# Altium PCB SPG300 Rev05.PcbDoc (part 6 of 8) (continued)
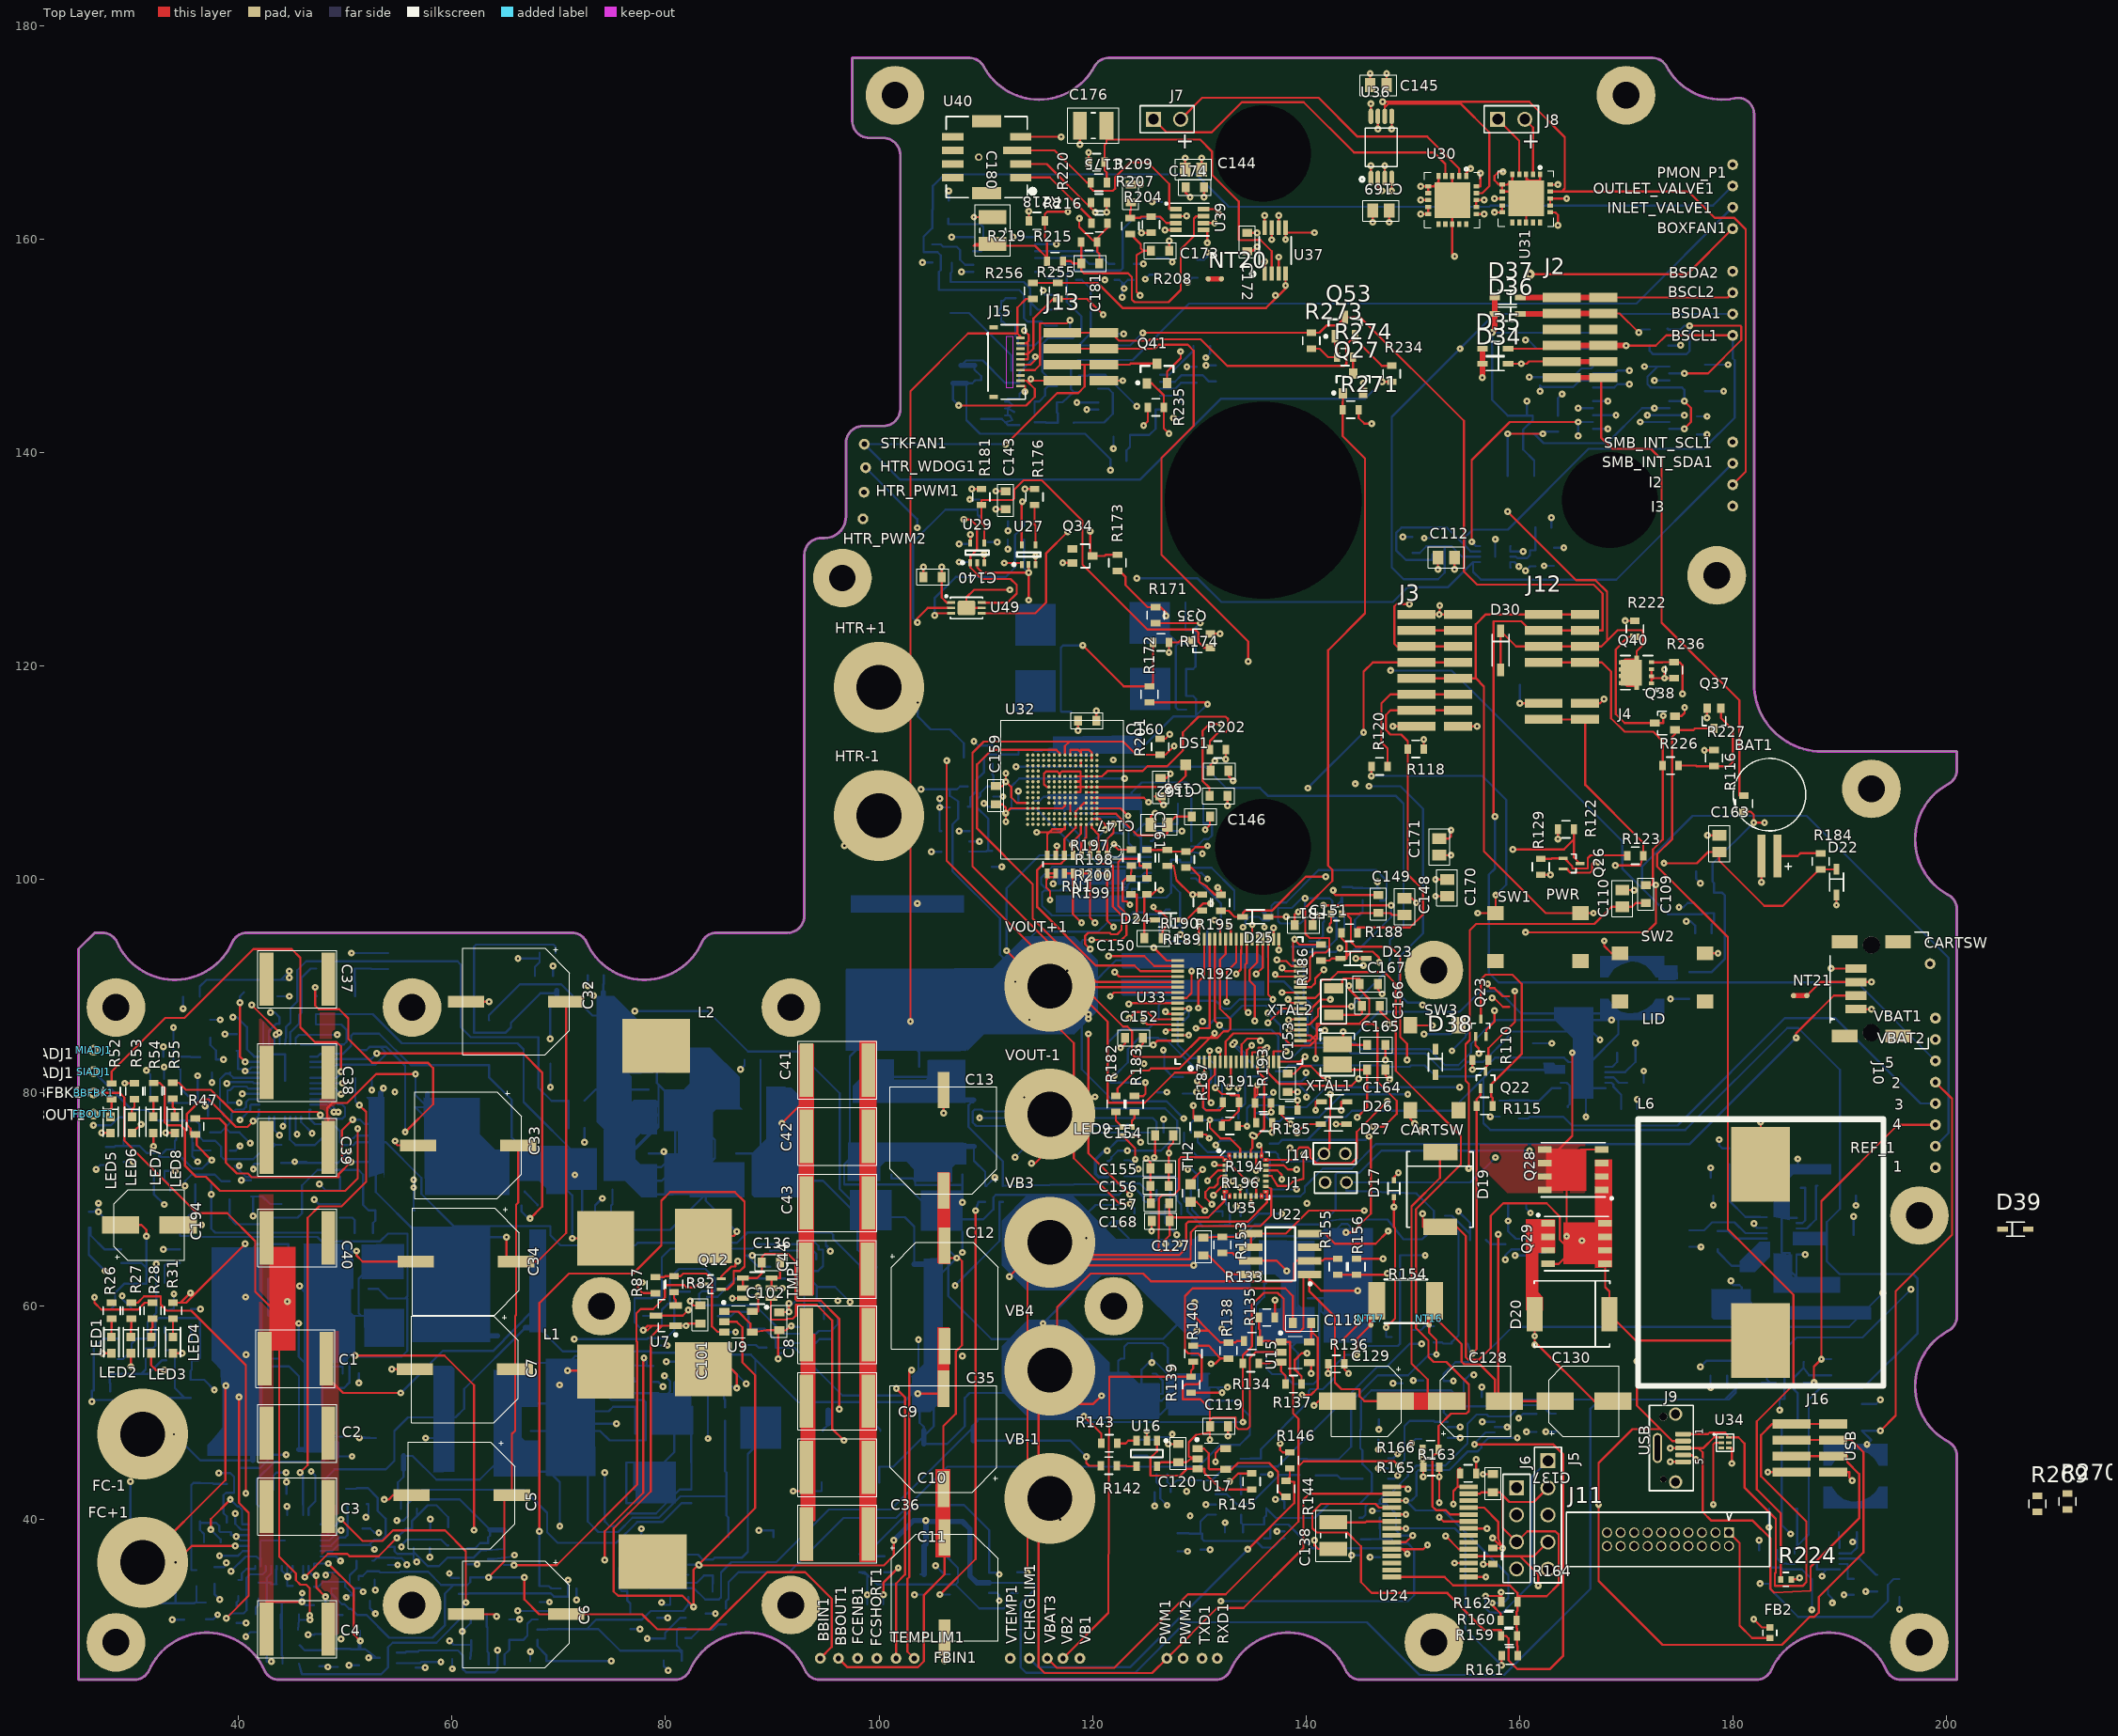
[diagram p0: Top Layer view]
## Nets (pads, with @x,y where several pads share a name; then routed paths per layer and width w, separated by ;. In a path a pad name is that pad's centre, name@x,y a point inside that pad or via, vN(x,y) a via of type N, cw(c..) or ccw(c..) an arc to the next point about the centre after c; other vN are vias at no path point) (continued)
  Bottom Layer w0.203: v1(112.598,160.2) U38.2@114.625,160.2 ; C178.1@126.05,158.227 127.117,158.227 v1(127.483,157.861)
NetC179_1: C179.1 R214.2 U38.9 | length 5.2
  Bottom Layer w0.203: C179.1@104.994,159.526 105.791,159.526 106.018,159.299 R214.2@106.823,159.299 107.29,159.299 107.594,158.995 107.594,158.09 108.084,157.6 U38.9@108.825,157.6
NetC181_1: C181.1 R215.1 R219.2 U39.7 | length 25
  Top Layer w0.203: R215.1@117.25,157.949 117.983,157.949 118.182,157.751 C181.1@118.951,157.751 ; R219.2@118.951,159.749 118.951,158.725 C181.1@118.951,157.751 ; U39.7@130.435,162.174 129.738,162.174 129.515,161.95 129.515,160.299 128.27,159.055 128.27,155.245 127.127,154.102 123.952,154.102 123.698,154.356 123.698,156.464 123.342,156.82 119.205,156.82 118.951,157.074 C181.1@118.951,157.751
NetC181_2: C181.2 R216.2 R219.1 U39.6 | length 22.6
  Top Layer w0.203: v1(118.77,161.976) 118.77,161.163 120.04,159.893 R219.1@120.451,159.893 ; C181.2@120.651,157.751 120.651,158.648 120.451,158.849 R219.1@120.451,159.749 R219.1@120.451,159.893 ; R216.2@121.416,161.501 121.416,161.087 120.451,160.122 R219.1@120.451,159.893 ; U39.6@130.435,161.524 v1(131.445,161.524)
  Layer 1 w0.203: v1(118.77,161.976) 118.77,162.56 119.583,163.373 122.784,163.373 123.698,162.458 127.61,162.458 128.544,161.524 v1(131.445,161.524)
NetC182_1: C182.1 R223.1 U41.7 | length 7.4
  Bottom Layer w0.203: R223.1@123.195,139.251 123.195,140.208 123.521,140.533 C182.1@123.521,141.501 123.521,141.656 125.332,141.656 125.917,142.24 125.917,144.05 U41.7@126.351,144.05
NetC183_1: C183.1 U41.2 | length 4.5
  Bottom Layer w0.203: U41.2@126.351,147.3 127.208,147.3 129.475,149.566 C183.1@129.475,150.014
NetC184_1: C184.1 R232.2 U41.9 | length 36
  Layer 2 w0.203: v1(118.542,144.704) 119.83,145.992 119.83,157.731 v1(125.599,163.5) 125.599,158.775 v1(130.785,158.775)
  Bottom Layer w0.203: v1(118.542,144.704) 118.546,144.7 U41.9@120.551,144.7 ; v1(125.599,163.5) R232.2@126.501,163.5 ; C184.1@129.85,158.102 130.454,158.102 130.785,158.432 v1(130.785,158.775)
NetC186_1: C186.1 R243.2 U42.1 U43.3 | length 29.8
  Layer 1 w0.203: v1(105.308,35.687) 106.121,34.874 v1(111.277,34.874)
  Bottom Layer w0.203: C186.1@98.173,36.775 98.827,36.775 ; R243.2@100.495,36.574 99.413,36.574 99.212,36.775 98.827,36.775 ; v1(105.308,35.687) 106.12,34.875 U42.1@106.626,34.875 ; U43.3@110.333,35.025 U43.3@110.338,35.025 ; v1(111.277,34.874) 111.126,35.025 U43.3@110.338,35.025 ; 98.827,36.775 103.429,41.377 107.975,41.377 110.338,39.014 U43.3@110.338,35.025
NetC187_1: C187.1 U44.11 | length 13
  Bottom Layer w0.203: U44.11@128.579,70.873 128.579,69.901 128.93,69.55 128.93,68.876 130.343,67.462 132.881,67.666 132.881,69.228 132.512,69.597 132.512,73.024 C187.1@133.326,73.024
NetC188_1: C188.1 R250.2 R253.1 U44.3 | length 18.4
  Layer 1 w0.203: v1(133.655,80.416) 134.707,79.364 136.285,79.364 v1(136.957,80.035)
  Layer 2 w0.203: v1(126.67,77.521) 126.67,77.693 129.074,80.098 v1(129.745,80.098) 130.794,81.148 133.381,81.148 133.655,80.874 v1(133.655,80.416)
  Bottom Layer w0.203: U44.3@126.659,76.272 126.659,77.51 v1(126.67,77.521) ; C188.1@128.48,79.935 129.582,79.935 v1(129.745,80.098) ; R250.2@133.65,79.525 133.65,80.411 v1(133.655,80.416) ; R253.1@135.4,79.6 136.521,79.6 v1(136.957,80.035)
NetC189_1: C189.1 U44.10 | length 5.7
  Bottom Layer w0.203: U44.10@129.219,70.873 129.219,69.903 129.336,69.786 129.336,69.044 130.048,68.332 130.861,68.332 131.439,68.91 132.202,68.91 C189.1@132.202,68.448
NetC190_1: C190.1 C194.1 D32.C U46.1 | length 16
  Top Layer w0.203: C194.1@28.924,67.625 30.886,67.625 31.35,67.161 v1(31.35,66.573)
  Bottom Layer w0.203: D32.C@27.2,59.699 27.975,59.699 28.423,60.147 28.423,61.265 29.261,62.103 31.35,62.103 C190.1@31.35,62.2 31.35,63.585 ; U46.1@29,64.049 30.886,64.049 31.35,63.585 ; v1(31.35,66.573) 31.35,63.585
NetC190_2: C190.2 U46.8 | length 3.2
  Bottom Layer w0.203: C190.2@33.05,62.2 33.05,63.805 33.294,64.049 U46.8@34.5,64.049
NetC192_1: C192.1 C195.1 D33.C U48.1 | length 24.7
  Bottom Layer w0.203: C195.1@39.15,70.013 39.141,70.013 39.141,68.275 39.726,67.691 41.935,67.691 42.549,68.304 U48.1@44.007,68.304 45.517,68.304 45.923,68.711 45.923,71.318 47.376,72.771 51.232,72.771 51.664,72.339 51.664,69.494 52.183,68.975 D33.C@52.8,68.975 52.8,68.019 52.574,67.793 C192.1@52.574,66.876
NetC192_2: C192.2 U48.8 | length 2.7
  Bottom Layer w0.203: U48.8@49.507,68.304 50.642,68.304 50.874,68.072 C192.2@50.874,66.876
NetC193_1: C193.1 R262.2 U45.1 U47.3 | length 9.1
  Bottom Layer w0.203: R262.2@27.925,53.675 R262.2@27.925,53.67 ; C193.1@27.95,52 27.95,52.807 27.925,52.832 R262.2@27.925,53.67 ; U47.3@31.291,55.075 31.293,55.075 31.293,54.077 30.886,53.67 ; U45.1@33.199,54.925 32.791,54.925 31.536,53.67 30.886,53.67 ; R262.2@27.925,53.67 30.886,53.67
NetD2_A: D2.A D4.A NT1.2 Q1.S1 Q1.S2 Q1.S3 Q3.S1 Q3.S2 Q3.S3 Q4.S1 Q4.S2 Q4.S3 R9.2 R10.2 | length 78.5
  Layer 1 w0.203: v1(70.092,39.395) 71.311,38.176 88.316,38.176 88.748,38.608 v1(88.748,38.989)
  Bottom Layer w0.203: NT1.2@55.451,45.975 56.285,45.975 58.522,43.739 62.581,43.739 R9.2@64.756,45.914 ; R10.2@64.653,52.242 R10.2@64.653,50.888 ; Q4.S2@67.304,52.158 66.179,52.158 65.938,51.918 ; Q4.S3@67.304,53.428 66.534,53.428 65.938,52.832 65.938,51.918 ; Q1.S2@67.381,45.773 Q1.S3@67.381,47.043 ; v1(70.092,39.395) D2.A@70.092,40.937 70.092,43.5 69.088,44.503 Q1.S1@67.381,44.503 66.624,45.26 66.624,46.287 Q1.S3@67.381,47.043 ; Q3.S1@77.17,48.044 Q3.S2@77.17,49.314 Q3.S3@77.17,50.584 75.095,50.584 74.676,50.165 70.319,50.165 69.596,50.888 Q4.S1@67.304,50.888 65.938,50.888 ; v1(88.748,38.989) 90.108,38.989 D4.A@90.108,38.359 ; R10.2@64.653,50.888 65.938,50.888 ; R10.2@64.653,50.888 64.756,49.762 R9.2@64.756,45.914 ; R9.2@64.756,45.914 65.885,47.043 66.444,47.043 ; 65.938,50.888 65.938,51.918 ; 65.938,50.888 65.938,47.549 66.444,47.043 ; 66.444,47.043 Q1.S3@67.381,47.043
NetD5_A: D5.A D6.A R18.2 | length 11.9
  Bottom Layer w0.203: R18.2@36.05,35.275 35.56,35.275 35.56,43.231 35.763,43.434 36.376,43.434 D6.A@36.376,43.422 37.567,43.422 37.639,43.35 D5.A@38.876,43.35
NetD7_A: D7.A D9.A NT11.1 Q6.S1 Q6.S2 Q6.S3 Q8.S1 Q8.S2 Q8.S3 Q9.S1 Q9.S2 Q9.S3 R43.2 R44.2 | length 83.5
  Bottom Layer w0.203: D9.A@63.45,86.809 63.449,87.274 66.345,90.17 70.231,90.17 73.152,87.249 R44.2@74.599,87.249 ; NT11.1@74.158,88.175 74.599,88.175 R44.2@74.599,87.261 R44.2@74.599,87.249 ; R43.2@74.608,82.724 76.81,82.724 76.985,82.9 D7.A@79.192,82.9 ; Q8.S3@75.021,72.195 75.006,72.195 75.006,74.574 Q8.S1@75.166,74.735 ; Q8.S2@75.021,73.465 75.751,73.465 77.021,74.735 ; Q8.S1@75.021,74.735 Q8.S1@75.166,74.735 ; Q6.S1@78.389,76.496 Q6.S1@78.782,76.496 ; Q6.S2@78.389,77.766 79.086,77.766 79.35,78.029 ; Q6.S3@78.389,79.036 79.137,79.036 79.35,79.248 ; Q9.S1@78.439,70.495 80.696,70.495 81.727,71.526 81.727,78.389 80.899,79.217 ; Q9.S2@78.439,71.765 79.654,71.765 80.899,73.01 80.899,74.32 ; Q9.S3@78.439,73.035 79.614,73.035 80.899,74.32 ; R44.2@74.599,87.249 74.599,86.309 78.226,86.309 79.192,85.344 D7.A@79.192,82.9 ; Q8.S1@75.166,74.735 79.35,78.918 ; Q8.S1@75.166,74.735 77.021,74.735 ; 77.021,74.735 Q6.S1@78.782,76.496 ; 77.021,74.735 77.173,74.735 Q6.S1@78.934,76.496 ; Q6.S1@78.782,76.496 Q6.S1@78.934,76.496 ; Q6.S1@78.782,76.496 79.35,77.064 ; Q6.S1@78.934,76.496 79.045,76.496 79.35,76.8 79.35,76.911 ; Q6.S1@78.934,76.496 79.35,76.911 ; D7.A@79.192,82.9 79.192,80.924 79.35,80.766 ; 79.35,76.911 79.35,77.064 ; 79.35,77.064 79.35,78.029 ; 79.35,78.029 79.35,78.918 ; 79.35,78.918 79.35,79.248 ; 79.35,79.248 79.35,80.766 ; 79.35,80.766 80.899,79.217 ; 80.899,74.32 80.899,79.217
NetD11_A: D11.A D12.A R48.2 | length 5.7
  Bottom Layer w0.203: D11.A@50.9,89.074 50.9,90.348 50.874,90.373 D12.A@50.874,91.649 52.4,91.649 52.449,91.6 R48.2@53.999,91.6
NetD13_3: D13.3 Q13.1 | length 16.4
  Layer 2 w0.203: v1(80.061,54.81) 79.353,54.81 77.267,56.896 77.267,58.134 81.566,62.433 v1(82.296,62.433)
  Bottom Layer w0.203: v1(80.061,54.81) D13.3@82.95,54.81 ; v1(82.296,62.433) 82.854,61.875 Q13.1@83.89,61.875
NetD14_3: D14.3 Q14.1 R100.2 | length 4.6
  Bottom Layer w0.203: Q14.1@91.076,56.625 91.999,56.625 92.074,56.55 R100.2@93,56.55 94.056,56.55 94.432,56.926 D14.3@95.5,56.926
NetD15_C: D15.C Q17.S1 Q17.S2 Q17.S3 Q18.S1 Q18.S2 Q18.S3 Q19.S1 Q19.S2 Q19.S3 Q20.S1 Q20.S2 Q20.S3 | length 35.9
  Bottom Layer w0.203: Q17.S3@136.27,63.404 136.246,63.404 136.246,64.674 Q17.S2@136.27,64.674 138.487,64.674 139.243,65.43 ; Q17.S1@136.27,65.944 138.352,65.743 139.555,65.743 ; Q19.S1@136.296,59.484 Q19.S2@136.296,58.214 136.271,58.214 136.271,56.944 Q19.S3@136.296,56.944 137.922,56.944 138.662,56.204 ; D15.C@139.251,53.635 139.268,53.635 139.268,55.598 138.662,56.204 ; Q18.S1@140.204,56.941 139.4,56.941 ; Q18.S2@140.204,58.211 Q18.S2@140.183,58.211 ; Q18.S3@140.204,59.481 140.183,59.481 Q18.S2@140.183,58.211 ; Q20.S1@140.256,63.203 139.497,63.962 139.497,64.983 Q20.S3@140.256,65.743 ; Q20.S2@140.256,64.473 Q20.S3@140.256,65.743 ; 138.662,56.204 139.4,56.941 ; 139.243,60.122 139.243,56.941 139.4,56.941 ; 139.243,60.122 139.878,59.487 139.878,58.211 Q18.S2@140.183,58.211 ; 139.243,60.122 139.243,65.43 ; 139.243,65.43 139.555,65.743 ; 139.555,65.743 Q20.S3@140.256,65.743
NetD16_1: D16.1 R112.1 | length 2.2
  Bottom Layer w0.203: D16.1@149.951,57.771 150.8,57.771 151.15,58.121 R112.1@151.999,58.121
NetD18_A: D18.A Q24.G R117.1 R119.2 | length 27.8
  Layer 2 w0.203: v1(127.483,48.006) v1(127.483,54.3)
  Bottom Layer w0.203: R119.2@123.901,47.49 126.078,47.49 126.314,47.727 127.203,47.727 v1(127.483,48.006) ; Q24.G@125.629,53.68 125.959,53.68 126.569,53.07 126.569,51.791 122.657,51.791 122.428,52.019 122.428,54.864 122.657,55.093 123,55.093 D18.A@123,55.334 123,56.223 123.315,56.539 126.616,56.539 127.071,56.083 R117.1@127.071,55.603 127.071,54.712 v1(127.483,54.3)
NetD22_C: D22.C R184.2
NetD23_C: D23.C R186.1 R188.2 U33.14 | length 30.9
  Top Layer w0.203: U33.14@136.477,82.9 136.477,81.864 137.518,80.823 140.284,80.823 140.437,80.67 144.297,80.67 v1(144.958,81.331) ; R186.1@141.425,92.4 142.215,92.4 142.415,92.6 D23.C@143.249,92.6 143.815,92.6 143.815,92.786 ; R188.2@143.35,94.999 143.35,94.488 143.815,94.023 143.815,92.786 ; v1(146.863,92.253) 146.863,92.659 146.279,93.243 144.272,93.243 143.815,92.786
  Layer 2 w0.203: v1(144.958,81.331) 145.745,82.118 145.745,90.22 146.863,91.338 v1(146.863,92.253)
NetD26_C: D26.C R193.1 R196.1 U33.59 | length 33.6
  Top Layer w0.203: v1(126.848,87.605) 126.848,87.4 U33.59@127.977,87.4 ; R196.1@135.34,77.2 135.34,77.47 135.204,77.606 135.225,77.627 R193.1@135.225,79.048 135.225,79.604 ; v1(140.919,78.384) 140.919,79.174 D26.C@141.475,79.174 ; 135.225,79.604 135.225,80.488 v1(135.458,80.721) 135.458,79.837 135.225,79.604
  Layer 1 w0.203: v1(135.458,80.721) 135.809,81.072 139.502,81.072 140.919,79.654 v1(140.919,78.384)
  Layer 2 w0.203: v1(126.848,87.605) 127.991,88.748 131.42,88.748 132.664,87.503 132.664,85.496 133.985,84.176 133.629,83.82 133.248,84.201 133.147,84.201 v1(133.147,84.531)
  Bottom Layer w0.203: v1(133.147,84.531) 135.28,82.398 136.398,82.398 136.398,81.28 135.839,80.721 v1(135.458,80.721)
NetD27_C: D27.C R191.1 R194.1 U33.58 | length 32.8
  Top Layer w0.203: U33.58@127.977,87.9 129.023,87.9 v1(129.032,87.909) ; v1(131.521,80.493) 132.131,79.883 132.842,79.883 132.944,79.781 133.727,79.781 R191.1@133.727,79.124 133.727,78.304 132.842,77.419 132.126,77.419 R194.1@132.126,76.896 ; v1(139.167,76.251) 139.988,77.072 D27.C@141.4,77.072
  Layer 1 w0.203: v1(131.521,80.493) 133.056,78.957 137.095,78.957 137.922,78.13 137.922,76.708 138.379,76.251 v1(139.167,76.251)
  Bottom Layer w0.203: v1(131.521,80.493) 131.521,82.601 130.861,83.261 129.235,83.261 127.991,84.506 127.991,86.157 ; 127.991,86.157 127.991,86.868 v1(129.032,87.909) 129.032,87.198 127.991,86.157
NetFB2_2: FB2.2 J11.1 | length 12.4
  Top Layer w0.203: J11.1@179.654,38.785 180.645,37.794 180.645,30.074 181.818,28.9 FB2.2@183.475,28.9
NetFCENB1_1: FCENB1.1 Q47.G Q48.G Q49.G Q50.G R259.1 U46.7 | length 124.1
  Top Layer w0.203: v1(50.921,55.372) 59.284,55.372 62.052,52.603 v1(62.052,39.014)
  Layer 1 w0.203: v1(32.944,65.319) 32.944,66.003 v1(37.426,70.485) ; v1(62.052,39.014) 67.137,39.014 69.271,36.881 96.926,36.881 98,35.808 FCENB1.1@98,27
  Bottom Layer w0.203: v1(32.944,65.319) U46.7@34.5,65.319 ; R259.1@37.426,71.399 v1(37.426,70.485) 37.426,67.273 37.8,66.898 47.766,66.898 48.574,66.091 53.264,66.091 53.984,66.811 Q48.G@54.876,66.811 55.829,66.811 55.829,60.96 55.598,60.729 ; v1(50.921,55.372) 51.009,55.285 Q49.G@52.377,55.285 55.27,55.285 55.804,55.818 55.804,60.729 55.598,60.729 ; Q47.G@52.196,61.636 53.061,61.636 53.967,60.729 Q50.G@54.854,60.729 55.598,60.729
NetFCSHORT1_1: FCSHORT1.1 Q51.G Q52.G U48.7 | length 134.1
  Layer 2 w0.203: v1(44.552,60.452) 44.552,67.488 v1(47.066,70.002) 47.066,66.243 59.944,53.365 59.944,37.338 61.722,35.56 61.722,32.845 61.934,32.633 61.934,27.449 63.271,26.111 79.527,26.111 83.718,30.302 83.718,32.461 86.335,35.077 94.793,35.077 99.8,30.071 FCSHORT1.1@99.8,27
  Bottom Layer w0.203: Q51.G@43.684,55.096 42.338,55.096 40.005,57.429 40.005,64.11 41.707,65.811 44.653,65.811 44.653,61.976 44.399,61.722 43.706,61.722 Q52.G@43.706,61.282 44.552,61.282 v1(44.552,60.452) ; v1(47.066,70.002) 47.494,69.574 U48.7@49.507,69.574
NetHTR_PWM1_1: HTR_PWM1.1 Q34.3 R173.1 | length 29.2
  Top Layer w0.203: v1(119.812,132.651) 119.812,130.325 Q34.3@120.024,130.325 121.133,130.325 121.234,130.426 R173.1@122.347,130.426
  Layer 1 w0.203: HTR_PWM1.1@98.6,136.3 98.6,137.135 99.72,137.135 100.203,137.617 114.846,137.617 v1(119.812,132.651)
NetHTR_PWM2_1: HTR_PWM2.1 Q35.3 R174.1 | length 40.1
  Top Layer w0.203: v1(127.175,121.285) R174.1@127.175,122.224 128.067,122.224 128.217,122.375 Q35.3@129.15,122.375
  Layer 1 w0.203: HTR_PWM2.1@98.5,133.8 103.877,128.422 112.116,128.422 112.928,129.235 112.928,130.531 113.792,131.394 117.066,131.394 v1(127.175,121.285)
NetINLET_VALVE1_1: INLET_VALVE1.1 Q39.G R221.1 R225.1 R231.2 | length 77.3
  Bottom Layer w0.203: Q39.G@114.578,142.85 115.621,142.85 115.671,142.799 R225.1@116.75,142.799 116.75,143.713 116.659,143.804 R231.2@116.659,144.725 117.196,144.725 118.262,145.701 ; R221.1@118.751,145.701 118.262,145.701 ; INLET_VALVE1.1@180,163 170.975,153.975 129.057,153.975 123.774,148.692 118.669,148.692 117.983,148.006 117.983,145.98 118.262,145.701
NetJ1_2: J1.2 R269.2
NetJ3_6: J3.6 R120.1 | length 13.7
  Top Layer w0.203: R120.1@147.65,110.599 147.65,112.293 147.091,112.852 147.091,116.512 147.93,117.35 J3.6@150.375,117.35 J3.6@154.275,117.35
NetJ5_1: J5.1 R162.2 U24.1 | length 24.9
  Top Layer w0.203: U24.1@155.251,34.631 v1(156.86,34.631) ; v1(156.845,32.842) 158.33,32.842 ; v1(158.293,33.198) 158.33,33.16 158.33,32.842 ; R162.2@158.33,32.299 158.33,32.842
  Layer 2 w0.203: v1(156.86,34.631) v1(158.293,33.198)
  Bottom Layer w0.203: v1(156.845,32.842) 156.845,31.699 157.251,31.293 158.42,31.293 161.163,34.036 161.163,43.993 J5.1@162.687,45.517
NetJ7_1: J7.1 U30.4 | length 32.6
  Top Layer w0.203: J7.1@125.73,171.25 126.952,170.028 131.183,170.028 134.01,172.855 139.802,172.855 144.508,168.148 151.994,168.148 153.077,167.064 U30.4@153.077,165.925
NetJ7_2: J7.2 U30.2 | length 30.4
  Top Layer w0.203: J7.2@128.27,171.25 130.281,173.261 141.211,173.261 144.851,169.621 151.38,169.621 154.377,166.624 U30.2@154.377,165.925
NetJ8_1: J8.1 U31.4 | length 6
  Top Layer w0.203: J8.1@157.981,171.25 160,169.231 U31.4@160,166.077
NetJ8_2: J8.2 U31.2 | length 5.5
  Top Layer w0.203: J8.2@160.521,171.25 161.3,170.471 U31.2@161.3,166.077
NetJ9_1: J9.1 J16.1 U34.6 | length 46.8
  Top Layer w0.203: J9.1@175.351,48.013 177.686,48.013 177.831,48.158 179.299,48.158 179.502,47.955 179.502,47.713 U34.6@179.637,47.713 180.532,47.713 181.102,47.142 181.102,43.028 184.048,40.081 184.048,35.054 183.945,34.95 183.945,33.782 186.544,33.782 186.899,34.138 186.899,39.821 182.667,44.053 182.667,47.937 183.693,48.963 J16.1@185.524,48.963 J16.1@189.424,48.963
NetJ13_1: J13.1 Q53.2 R234.2 | length 35.7
  Top Layer w0.203: J13.1@117.175,151.25 J13.1@121.075,151.25 121.727,151.25 122.482,150.495 125.298,150.495 125.425,150.622 130.15,150.622 132.639,148.133 143.612,148.133 143.815,148.336 143.815,150.139 144.272,150.597 144.625,150.597 Q53.2@144.625,150.641 ; Q53.2@144.625,150.9 Q53.2@144.625,150.641 ; R234.2@148.049,148.15 147.117,148.15 Q53.2@144.625,150.641
NetJ13_3: J13.3 Q41.3 R234.1 STKFAN1.1 | length 88.5
  Top Layer w0.203: v1(111.887,140.792) 116.688,145.593 118.669,145.593 119.278,146.202 119.278,148.25 ; J13.3@117.175,148.25 119.278,148.25 ; Q41.3@126.05,148.35 123.594,148.35 123.495,148.25 J13.3@121.075,148.25 119.278,148.25 ; v1(147.142,146.65) R234.1@148.049,146.65
  Bottom Layer w0.203: v1(111.887,140.792) 111.879,140.8 STKFAN1.1@98.624,140.8 101.934,137.49 124.478,137.49 132.057,145.069 145.562,145.069 v1(147.142,146.65)
NetLED1_C: LED1.C R26.1 | length 1.7
  Top Layer w0.203: LED1.C@28.075,57.1 28.075,57.937 28.099,57.962 R26.1@28.099,58.825
NetLED2_C: LED2.C R27.1 | length 1.7
  Top Layer w0.203: LED2.C@29.9,57.1 29.9,57.937 29.949,57.986 R27.1@29.949,58.825
NetLED3_C: LED3.C R28.1 | length 1.8
  Top Layer w0.203: LED3.C@31.8,57.1 31.8,57.887 31.924,58.01 R28.1@31.924,58.825
NetLED4_C: LED4.C R31.1 | length 1.7
  Top Layer w0.203: LED4.C@33.846,57.1 33.846,57.937 33.849,57.941 R31.1@33.849,58.825
NetLED5_C: LED5.C R52.1 | length 1.7
  Top Layer w0.203: LED5.C@28,77.75 28,78.511 28.099,78.611 R52.1@28.099,79.374
NetLED6_C: LED6.C R53.1 | length 1.7
  Top Layer w0.203: LED6.C@30,77.75 30,78.461 30.224,78.684 R53.1@30.224,79.399
NetLED7_C: LED7.C R54.1 | length 1.7
  Top Layer w0.203: LED7.C@32,77.75 32,78.562 32.024,78.586 R54.1@32.024,79.424
NetLED8_C: LED8.C R55.1 | length 1.8
  Top Layer w0.203: R55.1@33.827,79.449 33.827,78.684 34,78.511 LED8.C@34,77.75
NetLED9_AL: LED9.AL R182.1 | length 1.7
  Top Layer w0.203: R182.1@122.195,78.226 122.195,77.406 LED9.AL@122.8,76.801
NetLED9_AS: LED9.AS R183.1 | length 1.5
  Top Layer w0.203: LED9.AS@123.7,76.801 123.7,77.368 123.945,77.614 R183.1@123.945,78.2
NetNT1_1: NT1.1 R12.1 | length 4
  Bottom Layer w0.203: R12.1@55.2,41.023 55.2,41.758 54.915,42.042 54.915,43.485 55.451,44.021 NT1.1@55.451,44.725
NetNT2_1: NT2.1 U1.31
NetNT3_1: NT3.1 U1.30 | length 4.5
  Bottom Layer w0.203: U1.30@46.55,40.45 46.55,41.088 47.18,41.718 47.18,44.128 v1(46.789,44.518)
NetNT4_1: NT4.1 U1.33
NetNT5_2: NT5.2 U1.32 | length 31.9
  Bottom Layer w0.203: U1.32@47.7,39.55 47.803,39.55 47.803,43.536 48.971,44.704 53.772,44.704 54.585,45.517 54.585,48.311 55.855,49.581 60.325,49.581 61.138,50.394 61.138,52.258 NT5.2@66.88,58
NetNT6_2: NT6.2 R14.2 | length 27.4
  Layer 2 w0.203: v1(49.581,28.804) 49.581,29.235 47.498,31.318 47.498,33.142 47.752,33.396 49.195,33.396 51.13,35.331 51.13,36.843 52.426,38.139 53.48,38.139 54.458,39.116 55.143,39.116 55.448,39.421 55.448,41.099 v1(50.622,45.925)
  Bottom Layer w0.203: NT6.2@49.174,45.925 v1(50.622,45.925) ; v1(49.581,28.804) 49.749,28.972 R14.2@49.749,29.574
NetNT7_1: NT7.1 U2.31 | length 61.9
  Bottom Layer w0.203: U2.31@46.738,78.401 46.614,78.401 46.614,77.592 47.142,77.064 48.819,77.064 49.479,76.403 49.479,75.387 49.759,75.108 50.749,75.108 51.029,75.387 53.772,75.387 57.125,72.034 57.125,70.536 60.147,67.513 69.215,67.513 69.215,66.65 70.155,65.71 77.165,65.71 77.394,65.938 86.69,65.938 87.655,66.904 95.504,66.904 95.707,66.7 95.707,66.322 NT7.1@98.365,63.664
NetNT8_1: NT8.1 U2.30 | length 77.9
  Layer 1 w0.203: v1(48.92,78.207) 55.347,78.207 64.795,87.655 v1(77.114,87.655)
  Bottom Layer w0.203: U2.30@46.738,78.901 48.226,78.901 v1(48.92,78.207) ; v1(77.114,87.655) 83.947,87.655 87.732,83.871 92.405,83.871 96.317,79.959 96.317,70.993 98.958,68.351 102.413,68.351 103.301,67.464 NT8.1@103.301,63.937
NetNT9_1: NT9.1 U2.33 | length 12.4
  Layer 2 w0.203: v1(45.466,76.124) 46.406,77.064 49.23,77.064 50.379,78.212 51.737,78.212 53.569,80.043 v1(53.569,80.442)
  Bottom Layer w0.203: U2.33@45.338,77.751 45.338,76.252 v1(45.466,76.124) ; NT9.1@53.308,80.002 53.308,80.182 v1(53.569,80.442)
NetNT10_1: NT10.1 U2.32 | length 2
  Bottom Layer w0.203: U2.32@45.838,77.751 45.838,77.263 v1(46.878,76.223)
NetNT11_2: NT11.2 R45.1 | length 1.6
  Bottom Layer w0.203: NT11.2@74.158,89.425 74.158,90.17 74.201,90.213 R45.1@74.201,91.001
NetNT12_1: NT12.1 R46.1 | length 26.1
  Bottom Layer w0.203: R46.1@69.701,93.125 69.701,93.697 69.494,93.904 62.255,93.904 62.052,93.701 62.052,85.649 65.024,85.649 65.507,86.131 65.507,86.563 68.275,89.332 69.531,89.332 NT12.1@69.799,89.6
NetNT14_1: NT14.1 R143.2 | length 22.7
  Top Layer w0.203: v1(119.202,49.708) 120.839,48.071 R143.2@120.839,47.15
  Bottom Layer w0.203: NT14.1@104.2,47.1 106.384,47.1 108.052,48.768 108.052,51.41 108.509,51.867 117.043,51.867 v1(119.202,49.708)
NetNT15_1: NT15.1 R142.2 | length 13.3
  Top Layer w0.203: v1(119.431,45.903) 119.431,45.314 119.695,45.049 R142.2@120.788,45.049
  Bottom Layer w0.203: NT15.1@108.825,47.402 117.931,47.402 v1(119.431,45.903)
NetNT16_2: NT16.2 R149.1 R150.1 | length 22.4
  Top Layer w0.203: NT16.2@151.551,58.25 151.551,57.52 152.235,56.836 v1(152.235,55.488)
  Bottom Layer w0.203: R150.1@139.399,45.69 140.132,45.69 140.182,45.64 R149.1@140.94,45.64 143.053,45.64 144.247,46.834 144.247,51.028 146.736,53.518 149.581,53.518 151.551,55.488 v1(152.235,55.488)
NetNT17_2: NT17.2 R151.1 R152.1 | length 20
  Top Layer w0.203: v1(144.78,55.448) 144.78,56.93 NT17.2@146.101,58.25
  Bottom Layer w0.203: R151.1@133.863,45.715 134.798,45.715 134.823,45.74 R152.1@135.778,45.74 135.778,46.582 140.27,51.073 140.27,52.081 140.414,52.225 141.608,52.225 142.717,53.335 142.717,54.458 143.708,55.448 v1(144.78,55.448)
NetNT18_1: NT18.1 R169.2 | length 1.5
  Bottom Layer w0.203: R169.2@114.55,107.374 115.037,107.374 115.412,107.749 NT18.1@115.925,107.749
NetNT19_1: NT19.1 R170.2 | length 1.5
  Bottom Layer w0.203: R170.2@114.575,112.049 115.24,112.049 115.314,112.123 NT19.1@116,112.123
NetNT19_2: NT19.2 Q30.S1 Q30.S2 Q30.S3 Q32.S1 Q32.S2 Q32.S3 R167.2 R168.2 R171.2 R172.2 | length 40.4
  Top Layer w0.203: R172.2@125.351,116.6 130.622,116.6 v1(130.789,116.434) ; R171.2@125.93,124.025 v1(130.099,124.025)
  Bottom Layer w0.203: NT19.2@117.25,112.123 NT19.2@117.399,112.123 ; R168.2@118.076,112.625 117.901,112.625 NT19.2@117.399,112.123 ; Q30.S1@128.72,125.929 Q30.S2@128.72,124.659 Q30.S3@128.72,123.389 129.438,123.389 129.667,123.16 ; v1(130.099,124.025) 129.667,123.594 129.667,123.16 ; v1(130.789,116.434) 129.718,115.363 ; NT19.2@117.399,112.123 117.914,111.608 119.837,111.608 120.932,112.702 R167.2@122.726,112.702 125.021,112.702 127.61,115.291 129.646,115.291 ; 129.646,115.291 129.718,115.363 ; 129.646,115.291 129.718,115.291 129.718,115.363 ; 129.667,123.16 129.667,119.963 129.438,119.734 Q32.S1@128.774,119.734 Q32.S2@128.774,118.464 Q32.S3@128.774,117.194 129.438,117.194 129.718,116.915 129.718,115.363
NetNT24_2: NT24.2 Q43.S1 Q43.S2 Q43.S3 Q45.S1 Q45.S2 Q45.S3 R239.1 R240.1 | length 21.9
  Bottom Layer w0.203: Q45.S1@97.345,72.346 97.345,72.669 98.222,72.669 98.615,73.063 ; Q45.S2@98.615,72.346 98.615,73.063 ; R239.1@99.351,74.475 99.377,74.449 R239.1@100.002,74.449 ; Q45.S3@99.885,72.346 99.885,73.711 R239.1@100.623,74.449 ; Q43.S1@104.005,72.327 104.005,74.009 104.445,74.449 ; Q43.S2@105.275,72.327 105.275,72.873 R240.1@106.276,73.874 ; Q43.S3@106.545,72.327 106.545,73.254 106.276,73.522 R240.1@106.276,73.874 ; NT24.2@107.649,74.992 107.222,74.992 106.68,74.449 R240.1@106.276,74.449 ; 98.615,73.063 99.689,74.137 R239.1@100.002,74.449 ; R239.1@100.002,74.449 R239.1@100.623,74.449 ; R239.1@100.623,74.449 104.445,74.449 ; 104.445,74.449 R240.1@106.276,74.449 ; R240.1@106.276,73.874 R240.1@106.276,74.449
NetNT25_2: NT25.2 Q42.S1 Q42.S2 Q42.S3 Q44.S1 Q44.S2 Q44.S3 R239.2 R240.2 | length 31
  Bottom Layer w0.203: Q42.S3@98.54,82.503 98.54,81.724 99.107,81.157 100.339,81.157 ; R239.2@99.351,79.875 104.906,79.875 106.311,81.28 ; Q42.S2@99.81,82.503 99.81,81.686 100.339,81.157 ; Q42.S1@101.08,82.503 101.08,81.825 101.397,81.509 106.07,81.509 ; Q44.S3@105.041,82.464 Q44.S2@106.311,82.464 ; R240.2@106.276,79.849 106.311,79.849 R240.2@106.311,80.646 ; Q44.S1@107.581,82.464 Q44.S2@106.311,82.464 ; NT25.2@107.607,79.35 R240.2@106.311,80.646 ; 100.339,81.157 105.719,81.157 106.07,81.509 ; 106.07,81.509 106.311,81.749 ; R240.2@106.311,80.646 106.311,81.28 ; 106.311,81.28 106.311,81.749 ; 106.311,81.749 Q44.S2@106.311,82.464
NetNT26_1: NT26.1 R260.2 | length 23.9
  Layer 2 w0.203: v1(33.934,48.006) v1(33.934,61.163)
  Bottom Layer w0.203: R260.2@33.062,59.57 33.934,59.773 v1(33.934,61.163) ; v1(33.934,48.006) 36.391,45.549 NT26.1@41.326,45.549
NetNT27_1: NT27.1 R261.2 | length 19.6
  Layer 1 w0.203: v1(36.424,59.741) v1(40.691,55.474)
  Bottom Layer w0.203: R261.2@35.52,59.75 36.415,59.75 v1(36.424,59.741) ; v1(40.691,55.474) 41.808,54.356 44.728,54.356 45.644,53.44 NT27.1@45.644,46.574
NetOUTLET_VALVE1_1: OUTLET_VALVE1.1 Q36.G R203.1 R206.1 R213.2 | length 102.8
  Bottom Layer w0.203: R213.2@116.659,151.901 115.614,151.901 115.24,152.275 Q36.G@114.202,152.275 113.925,152.275 113.597,152.603 113.597,154.788 113.139,155.245 105.613,155.245 105.613,156.947 105.791,157.124 105.791,158.496 105.486,158.801 104.191,158.801 104.191,160.249 105,161.057 R206.1@105,161.949 105,162.763 105.049,162.813 R203.1@105.049,163.649 105.049,164.998 106.137,166.086 129.723,166.086 132.766,163.043 157.201,163.043 157.328,163.17 178.17,163.17 OUTLET_VALVE1.1@180,165
NetQ1_G: Q1.G R6.2 | length 15.2
  Layer 2 w0.203: v1(75.413,48.997) 76.276,48.997 v1(79.756,52.476)
  Bottom Layer w0.203: Q1.G@67.381,48.313 70.589,48.313 71.272,48.997 v1(75.413,48.997) ; R6.2@78.865,52.899 79.333,52.899 v1(79.756,52.476)
NetQ2_G: Q2.G R11.2 | length 30
  Bottom Layer w0.203: R11.2@57.124,42.788 57.124,42.799 66.751,42.799 68.91,40.64 68.91,38.811 69.901,37.821 75.387,37.821 77.338,39.771 79.725,39.771 81.499,41.544 Q2.G@82.419,41.544
NetQ3_G: Q3.G R5.2 | length 42.2
  Layer 1 w0.203: v1(51.249,52.807) 68.641,52.807 69.449,51.999 70.414,51.999 77.114,58.699 78.365,58.699 78.608,58.456 78.608,54.793 v1(79.908,53.492)
  Bottom Layer w0.203: v1(51.249,52.807) R5.2@51.249,53.699 ; Q3.G@77.17,51.854 79.322,51.854 79.563,51.613 80.01,51.613 80.416,52.019 80.416,52.984 v1(79.908,53.492)
NetQ4_G: Q4.G R7.2 | length 11.3
  Bottom Layer w0.203: Q4.G@67.304,54.698 70.903,54.698 71.526,55.321 75.006,55.321 77.038,53.289 77.038,52.951 R7.2@77.2,52.951
NetQ5_G: Q5.G R8.2 | length 1.6
  Bottom Layer w0.203: R8.2@85.474,52.075 85.474,51.337 85.578,51.232 Q5.G@85.578,50.543
NetQ6_G: Q6.G R37.2 | length 6.4
  Bottom Layer w0.203: R37.2@72.399,79.268 73.437,80.306 Q6.G@78.389,80.306